# Altium PCB Buck_60W20V.pcbdoc (part 1 of 2) (continued)
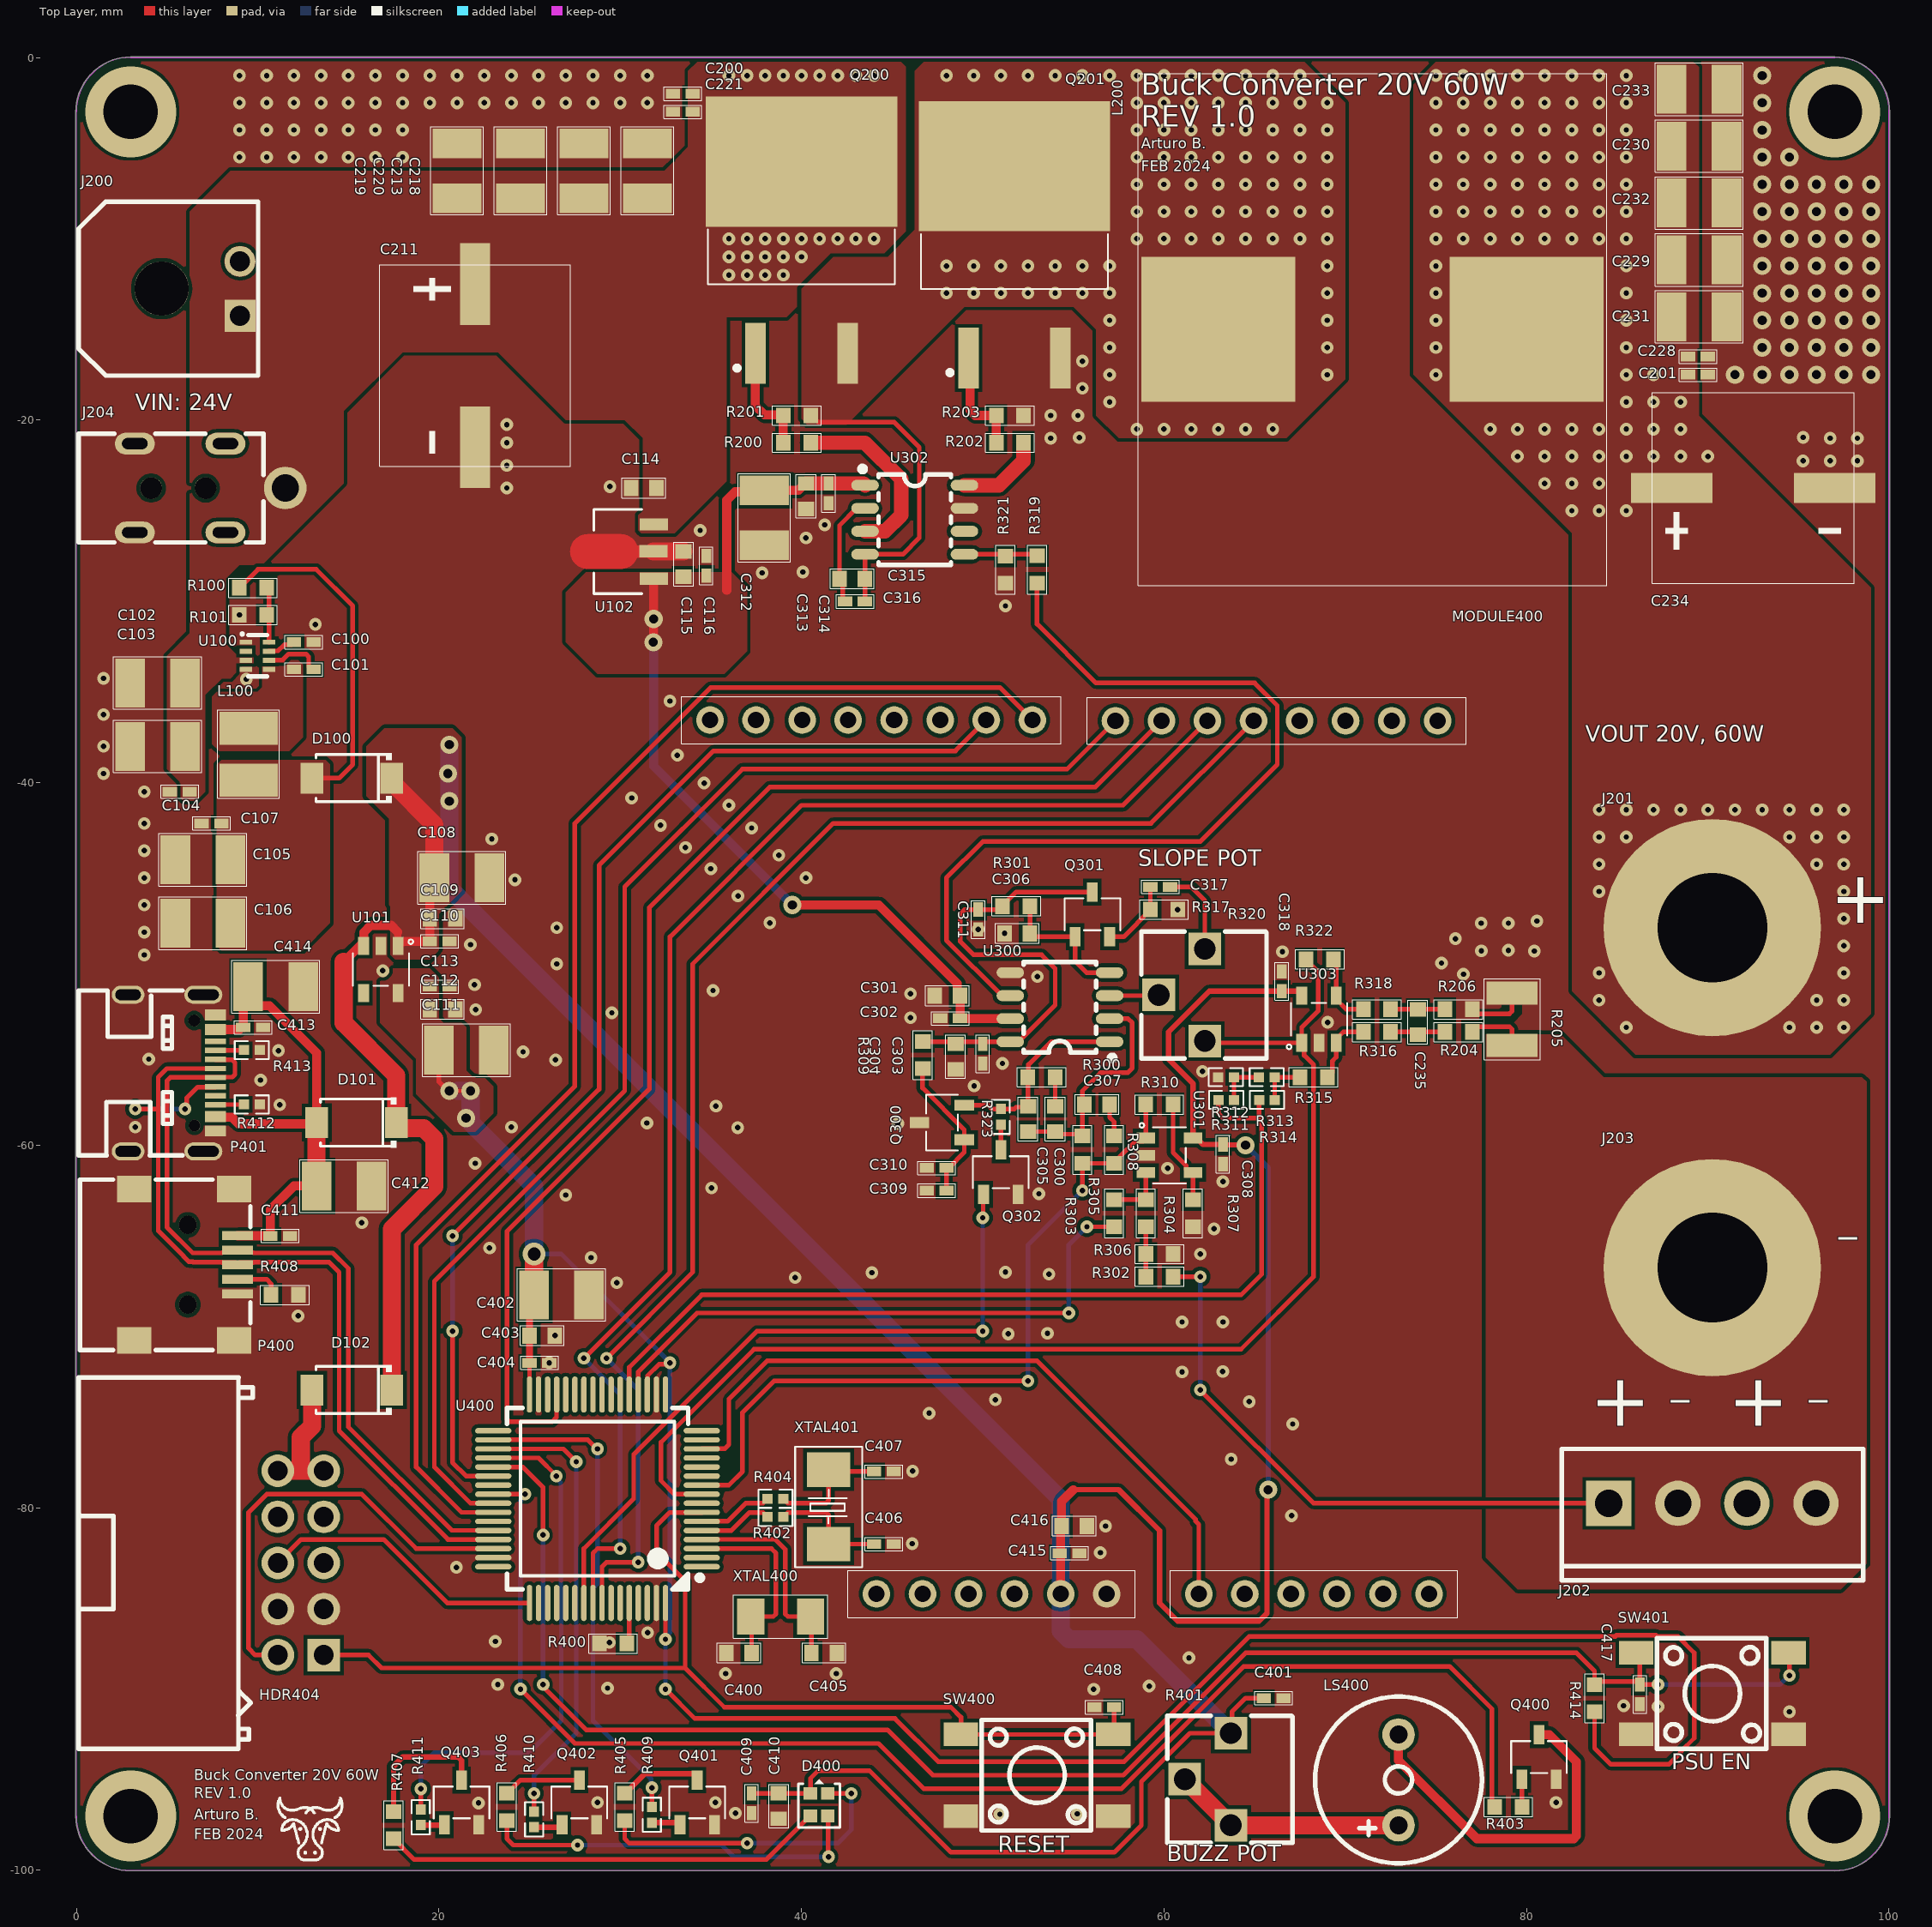
[diagram p0: Top Layer view]
## Footprints (in the part's own frame and the unit in brackets; to place one, negate y for a bottom-side part, rotate by r counter-clockwise, add the part's x,y. Pads: shape width x height; smd on the part's side, far side on the other; paste and mask are expansions set on the pad) (continued)
  silkscreen extent -25.4,-21.64 25.4,21.64, body extent -29.01,-26 28.9,55, height 21.01
LED_0603 [mm]
  rect 0.7x0.75 smd paste+0 mask+0.051: 1(-0.62,0.475) 2(0.62,0.475) 3(-0.62,-0.475) 4(0.62,-0.475)
  silkscreen extent -1.27,-1.14 1.4,1.14, body extent -0.8,-0.8 0.8,0.8, height 0.6
LQFP-64 [mm]
  oval 0.3x2 smd paste+0 mask+0.051: 1(-3.75,-5.75) 2(-3.25,-5.75) 3(-2.75,-5.75) 4(-2.25,-5.75) 5(-1.75,-5.75) 6(-1.25,-5.75) 7(-0.75,-5.75) 8(-0.25,-5.75) 9(0.25,-5.75) 10(0.75,-5.75) 11(1.25,-5.75) 12(1.75,-5.75) 13(2.25,-5.75) 14(2.75,-5.75) 15(3.25,-5.75) 16(3.75,-5.75) 33(3.75,5.75) 34(3.25,5.75) 35(2.75,5.75) 36(2.25,5.75) 37(1.75,5.75) 38(1.25,5.75) 39(0.75,5.75) 40(0.25,5.75) 41(-0.25,5.75) 42(-0.75,5.75) 43(-1.25,5.75) 44(-1.75,5.75) 45(-2.25,5.75) 46(-2.75,5.75) 47(-3.25,5.75) 48(-3.75,5.75)
  oval 2x0.3 smd paste+0 mask+0.051: 17(5.75,-3.75) 18(5.75,-3.25) 19(5.75,-2.75) 20(5.75,-2.25) 21(5.75,-1.75) 22(5.75,-1.25) 23(5.75,-0.75) 24(5.75,-0.25) 25(5.75,0.25) 26(5.75,0.75) 27(5.75,1.25) 28(5.75,1.75) 29(5.75,2.25) 30(5.75,2.75) 31(5.75,3.25) 32(5.75,3.75) 49(-5.75,3.75) 50(-5.75,3.25) 51(-5.75,2.75) 52(-5.75,2.25) 53(-5.75,1.75) 54(-5.75,1.25) 55(-5.75,0.75) 56(-5.75,0.25) 57(-5.75,-0.25) 58(-5.75,-0.75) 59(-5.75,-1.25) 60(-5.75,-1.75) 61(-5.75,-2.25) 62(-5.75,-2.75) 63(-5.75,-3.25) 64(-5.75,-3.75)
  silkscreen extent -5,-5.79 5,5, body extent -6,-6 6,6, height 1.56
RES_0402 [mm]
  rect 0.566x0.54 smd paste-100 mask+0.051: 1(-0.433,0) 2(0.433,0)
  silkscreen extent -0.94,-0.5 0.94,0.5, body extent -0.5,-0.25 0.5,0.25, height 0.35
RES_0603 [mm] "RES 0603 SMD"
  rect 0.806x0.864 smd paste-100 mask+0.051: 1(-0.753,0) 2(0.753,0)
  silkscreen extent -1.35,-0.53 1.35,0.53, body extent -0.8,-0.43 0.8,0.43, height 0.48
RES_1210 [mm]
  rect 1.283x2.808 smd paste-100 mask+0.051: 1(-1.441,0) 2(1.441,0)
  silkscreen extent -2.24,-1.55 2.24,1.55, body extent -1.61,-1.26 1.61,1.26, height 0.61
RES_GF063P1-B102 [mm]
  rect 1.8x1.8 hole 1.2 paste+0 mask+0.051: 1(-2.54,-1.27) 2(0,1.27) 3(2.54,-1.27)
  silkscreen extent -3.5,-4.68 3.5,2.23, body extent -3.56,-4.7 3.56,2.29, height 5.5
SMD_TSA063G60-250 [mm]
  rect 1.9x1.3 smd paste+0 mask+0.051: 1(-4.2,2.25) 2(4.2,2.25) 3(-4.2,-2.25) 4(4.2,-2.25)
  silkscreen extent -3.05,-3.05 2.98,3.05, body extent -3.09,-3.05 3.05,3.07, height 5
SMD_W1.5mm_L4.1mm_3141M-32.768DTNTLLLL [mm]
  rect 1.5x2 smd: 1(-1.65,0) 2(1.65,0)
  silkscreen extent -2.6,-1.2 2.6,1.2, body extent -2.05,-0.75 2.05,0.75, height 0.9
SMD_W3.2mm_L5.0m_X50328MSB2GI [mm]
  rect 1.9x2.4 smd paste+0 mask+0.051: 1(-2.05,0) 2(2.05,0)
  silkscreen extent -3.32,-1.85 3.33,1.85, body extent -2.5,-1.6 2.5,1.6, height 1.2
SOCKET_2X5P_2.54mm_HORZ_X9555WR [mm]
  rect 1.8x1.8 hole 1.1 paste+0 mask+0.051: 1(5.08,1.27)
  round 1.8 hole 1.1 paste+0 mask+0.051: 2(5.08,-1.27) 3(2.54,1.27) 4(2.54,-1.27) 5(0,1.27) 6(0,-1.27) 7(-2.54,1.27) 8(-2.54,-1.27) 9(-5.08,1.27) 10(-5.08,-1.27)
  silkscreen extent -10.24,-12.26 10.26,-2.65, body extent -10.24,-12.26 10.26,-3.44, height 5
SOD-128 [mm]
  rect 1.25x1.7 smd paste+0 mask+0.051: 1(-2.2,0) 2(2.2,0)
  silkscreen extent -2.2,-1.38 1.98,1.38, body extent -2.7,-1.3 2.5,1.4, height 1.11
SOIC-8 [mm]
  oval 1.52x0.6 smd paste+0 mask+0.051: 1(-2.74,1.905) 2(-2.74,0.635) 3(-2.74,-0.635) 4(-2.74,-1.905) 5(2.74,-1.905) 6(2.74,-0.635) 7(2.74,0.635) 8(2.74,1.905)
  silkscreen extent -3.03,-2.5 2,2.95, body extent -3,-2.45 3,2.45, height 1.7
SOT-23 [mm]
  rect 1.07x0.6 smd paste+0 mask+0.051: 1(1.235,-0.95) 2(1.235,0.95) 3(-1.235,0)
  silkscreen extent -0.88,-1.54 0.88,1.54, body extent -1.25,-1.5 1.25,1.5, height 1.11
SOT-23-5 [mm]
  rect 1x0.6 smd paste+0 mask+0.051: 1(1.3,-0.95) 2(1.3,0) 3(1.3,0.95) 4(-1.3,0.95) 5(-1.3,-0.95)
  silkscreen extent -0.9,-1.78 1.65,1.55, body extent -1.25,-1.5 1.25,1.5, height 1.11
SOT-98-3 [mm]
  rect 1.575x0.672 smd paste+0 mask+0.051: 1(1.356,-1.5) 2(1.336,0.011) 3(1.356,1.5)
  Top Layer region: -2.304,0.949 -0.45,0.949 -0.406,0.948 -0.361,0.945 -0.317,0.94 -0.273,0.933 -0.229,0.923 -0.186,0.912 -0.144,0.899 -0.102,0.883 -0.061,0.866 -0.021,0.847 0.019,0.826 0.057,0.803 0.094,0.778 0.13,0.752 0.164,0.724 0.198,0.694 0.23,0.663 0.26,0.63 0.289,0.597 0.316,0.561 0.341,0.525 0.365,0.487 0.387,0.448 0.407,0.409 0.426,0.329 2.123,0.329 2.123,-0.331 0.426,-0.331 0.407,-0.41 0.387,-0.45 0.365,-0.489 0.341,-0.526 0.316,-0.563 0.289,-0.598 0.26,-0.632 0.23,-0.665 0.198,-0.696 0.164,-0.725 0.13,-0.753 0.094,-0.78 0.057,-0.804 0.019,-0.827 -0.021,-0.848 -0.061,-0.867 -0.102,-0.885 -0.144,-0.9 -0.186,-0.913 -0.229,-0.925 -0.273,-0.934 -0.317,-0.941 -0.361,-0.947 -0.406,-0.95 -0.45,-0.951 -2.304,-0.951 -2.349,-0.95 -2.393,-0.947 -2.437,-0.941 -2.481,-0.934 -2.525,-0.925 -2.568,-0.913 -2.61,-0.9 -2.652,-0.885 -2.693,-0.867 -2.734,-0.848 -2.773,-0.827 -2.811,-0.804 -2.848,-0.78 -2.884,-0.753 -2.919,-0.725 -2.952,-0.696 -2.984,-0.665 -3.014,-0.632 -3.043,-0.598 -3.07,-0.563 -3.096,-0.526 -3.119,-0.489 -3.141,-0.45 -3.162,-0.41 -3.18,-0.369 -3.196,-0.328 -3.21,-0.286 -3.223,-0.243 -3.233,-0.2 -3.241,-0.156 -3.248,-0.112 -3.252,-0.067 -3.254,-0.023 -3.254,0.022 -3.252,0.066 -3.248,0.11 -3.241,0.154 -3.233,0.198 -3.223,0.242 -3.21,0.284 -3.196,0.327 -3.18,0.368 -3.162,0.409 -3.141,0.448 -3.119,0.487 -3.096,0.525 -3.07,0.561 -3.043,0.597 -3.014,0.63 -2.984,0.663 -2.952,0.694 -2.919,0.724 -2.884,0.752 -2.848,0.778 -2.811,0.803 -2.773,0.826 -2.734,0.847 -2.693,0.866 -2.652,0.883 -2.61,0.899 -2.568,0.912 -2.525,0.923 -2.481,0.933 -2.437,0.94 -2.393,0.945 -2.349,0.948
  silkscreen extent -1.95,-2.33 0.7,2.33, body extent -2.38,-2.3 1.87,2.3, height 1.35
SOT-583 [mm]
  rect 0.68x0.28 smd paste+0 mask+0.051: 1(0.64,-0.75) 2(0.64,-0.25) 3(0.64,0.25) 4(0.64,0.75) 5(-0.64,0.75) 6(-0.64,0.25) 7(-0.64,-0.25) 8(-0.64,-0.75)
  silkscreen extent -0.51,-1.27 0.92,1.14, body extent -0.8,-1.05 0.8,1.05, height 0.6
USB-C_2.0_12PIN [mm]
  rect 0.6x1.15 smd paste-100 mask+0.05: A1B12(-3.2,2.41) A4B9(-2.4,2.41) B1A12(3.2,2.41) B4A9(2.4,2.41)
  rect 0.3x1.15 smd paste-100 mask+0.05: A5(-1.25,2.41) A6(-0.25,2.41) A7(0.25,2.41) A8(1.25,2.41) B5(1.75,2.41) B6(0.75,2.41) B7(-0.75,2.41) B8(-1.75,2.41)
  oval 1x1.8 hole 0.6 slot 1.4 at 90 deg paste+0 mask+0.05: EP(-4.32,-2.41) EP(4.32,-2.41)
  oval 1x2.1 hole 0.6 slot 1.7 at 90 deg paste+0 mask+0.05: EP(-4.32,1.74) EP(4.32,1.74)
  round 0.65 hole 0.65 unplated paste+0: ""(-2.9,1.24) ""(2.9,1.25)
  silkscreen extent -4.55,-5.14 4.55,0.59, body extent -4.52,-4.92 4.42,1.98, height 3.26
USB_Mini-B_UX-144S-ACP5 [mm]
  rect 0.5x1.7 smd paste+0 mask+0.051: 1(-1.6,2.85) 2(-0.8,2.85) 3(0,2.85) 4(0.8,2.85) 5(1.6,2.85)
  rect 1.45x1.9 smd paste+0 mask+0.051: 6(-4.175,2.65) 7(-4.175,-2.85) 8(4.175,-2.85) 9(4.175,2.65)
  round 1 hole 1 unplated paste+0: ""(-2.2,0.1) ""(2.2,0.1)
  silkscreen extent -4.7,-5.84 4.7,3.56, body extent -4.95,-6.05 4.95,2.95, height 4

## Part data
C100 C101 C104 C107 C110 C113 C116 C302 C303 C308 C309 C310 C311 C314 C316 C317 C318 C401 C408 C409 C411 C413 C415 C417: library part UMK105B7104KV-FR, "CAP 100N 0402 X7R 50V 10%", Package=0402, ComponentLink1Description=Datasheet, ComponentLink1URL=https://datasheet.lcsc.com/lcsc/2211282030_Taiyo-Yuden-UMK105B7104KV-FR_C2167491.pdf, ComponentLink2Description=Characteristics, ComponentLink2URL=Datasheets\Capacitors\UMK105B7104KV-FR_TaiyoYuden.pdf, Manifacturer="Taiyo Yuden", Part Number=UMK105B7104KV-FR
C102 C103 C105 C106 C108 C111 C213 C218 C219 C220 C229 C230 C231 C232 C233 C312 C402 C412 C414: library part UMK325AB7106KM-T, "CAP 10U 1210 X7R 50V 10%", Package=1210, ComponentLink1Description=Datasheet, ComponentLink1URL=https://datasheet.lcsc.com/lcsc/2211282230_Taiyo-Yuden-UMK325AB7106KM-T_C386167.pdf, ComponentLink2Description=Characteristics, ComponentLink2URL=Datasheets\Capacitors\UMK325AB7106KM-T_TaiyoYuden_Char.pdf, Manifacturer="Taiyo Yuden", Part Number=UMK325AB7106KM-T
C109 C112 C114 C115 C301 C304 C313 C315 C403 C410 C416: library part TMK107AB7105KAHT, "CAP 1U 0603 X7R 25V 10%", Package=0603, ComponentLink1Description=Datasheet, ComponentLink1URL=https://datasheet.lcsc.com/lcsc/1912111437_Taiyo-Yuden-TMK107AB7105KAHT_C386079.pdf, ComponentLink2Description=Characteristics, ComponentLink2URL=Datasheets\Capacitors\TMK107AB7105KAHT_TaiyoYuden.pdf, Manifacturer="Taiyo Yuden", Part Number=TMK107AB7105KAHT
C200 C201: library part UMF105B7102KVHF, "CAP 1N 0402 X7R 50V 10%", Package=0402, ComponentLink1Description=Datasheet, ComponentLink1URL=https://datasheet.lcsc.com/lcsc/1912111437_Taiyo-Yuden-UMF105B7102KVHF_C386104.pdf, ComponentLink2Description=Characteristics, ComponentLink2URL=Datasheets\Capacitors\UMF105B7102KVHF_TaiyoYuden.pdf, Manifacturer="Taiyo Yuden", Part Number=UMF105B7102KVHF
C211 C234: library part UUD1H221MNL1GS, "CAP 220U SMD_D10mm_L10mm ELEC 50V 20%", Package=SMD_D10mm_L10mm, ComponentLink1Description=Datasheet, ComponentLink2Description=Characteristics, Manifacturer=Nichicon, Part Number=UUD1H221MNL1GS
C221 C228 C404: library part UMF105B7103KVHF, "CAP 10N 0402 X7R 50V 10%", Package=0402, ComponentLink1Description=Datasheet, ComponentLink1URL=https://datasheet.lcsc.com/lcsc/1912111437_Taiyo-Yuden-UMF105B7103KVHF_C386105.pdf, ComponentLink2Description=Characteristics, ComponentLink2URL=Datasheets\Capacitors\UMF105B7103KVHF_TaiyoYuden.pdf, Manifacturer="Taiyo Yuden", Part Number=UMF105B7103KVHF
C235: library part C1608C0G2E222JT000N, "CAP 2N2 0603 NPO 250V 5%", Package=0603, ComponentLink1Description=Datasheet, ComponentLink1URL=https://datasheet.lcsc.com/lcsc/2304140030_TDK-C1608C0G2E222JT000N_C694281.pdf, ComponentLink2Description=Characteristics, Manifacturer=TDK, Part Number=C1608C0G2E222JT000N
C300: library part CC0603GRNPO9BN471, "CAP 470P 0603 NPO 50V 2%", Package=0603, ComponentLink1Description=Datasheet, ComponentLink1URL=https://datasheet.lcsc.com/lcsc/2304140030_YAGEO-CC0603GRNPO9BN471_C327194.pdf, ComponentLink2Description=Characteristics, Manifacturer=YAGEO, Part Number=CC0603GRNPO9BN471
C305 C400 C405: library part CC0603JRNPO9BN180, "CAP 18P 0603 NPO 50V 5%", Package=0603, ComponentLink1Description=Datasheet, ComponentLink1URL=https://datasheet.lcsc.com/lcsc/2304140030_YAGEO-CC0603JRNPO9BN180_C107040.pdf, ComponentLink2Description=Characteristics, Manifacturer=YAGEO, Part Number=CC0603JRNPO9BN180
C306 C307: library part CC0603GRNPO8BN102, "CAP 1N 0603 NPO 25V 2%", Package=0603, ComponentLink1Description=Datasheet, ComponentLink1URL=https://datasheet.lcsc.com/lcsc/2005181835_YAGEO-CC0603GRNPO8BN102_C519480.pdf, ComponentLink2Description=Characteristics, Manifacturer=YAGEO, Part Number=CC0603GRNPO8BN102
C406 C407: library part CC0603JRNPO9BN360, "CAP 36P 0402 NPO 50V 5%", Package=402, ComponentLink1Description=Datasheet, ComponentLink1URL=https://datasheet.lcsc.com/lcsc/2304140030_YAGEO-CC0603JRNPO9BN360_C134070.pdf, Manifacturer=YAGEO, Part Number=CC0603JRNPO9BN360
D100 D101 D102: library part PMEG3010EP,115, "DIODE PMEG3010EP,115 SOD-128  Schottky 30V 1A", Current=1A, Forward voltage="0.36V @ 1A", Operating temperature="150 ℃", Package=SOD-128, Voltage=30V, ComponentLink1Description=Datasheet, ComponentLink1URL=https://datasheet.lcsc.com/lcsc/2006101642_Nexperia-PMEG3010EP-115_C552865.pdf, Manifacturer=Nexperia, Part Number=PMEG3010EP,115, Type=Schottky
D400: library part E6C0606RGBC3UDA, "LED E6C0606RGBC3UDA 0603 RGB 5V 20mA", Current=20mA, Forward voltage="2.20V (max, red), 3.40V (max , green), 3.40V (max, blue)", Operating temperature="90 ℃", Package=0603, Voltage=5V, ComponentLink1Description=Datasheet, ComponentLink1URL=https://datasheet.lcsc.com/lcsc/2203301730_EKINGLUX-E6C0606RGBC3UDA_C375569.pdf, Manifacturer=EKINGLUX, Part Number=E6C0606RGBC3UDA, Type=RGB
HDR404: library part X9555WR-2x05-6TV01, "SOCKET  / X9555WR-2x05-6TV01 TH 2.54mm 2X5P HORZ", Current=3A, Package=TH, Voltage=N/A, ComponentLink1Description=Datasheet, ComponentLink1URL=https://datasheet.lcsc.com/lcsc/2110112030_XKB-Connectivity-X9555WR-2x05-6TV01_C2682217.pdf, Manifacturer="XKB Connectivity", Part Number=X9555WR-2x05-6TV01, Pitch=2.54mm, Structure="2X5P HORZ", Supported protocol=N/A
J200: library part 436500200, "RECEP 436500200 TH 3mm HORIZ", Current=8.5A, Package=TH, Voltage=600V, ComponentLink1Description=Datasheet, ComponentLink1URL=https://datasheet.lcsc.com/lcsc/2305301754_MOLEX-436500200_C192562.pdf, Manifacturer=MOLEX, Part Number=436500200, Pitch=NA, Structure="RERCEP 2WIRE HORIZ", Supported protocol=NA
J201: library part 24.247.1, "JACK  24.247.1 TH 4mm  VERT RED", Current=32A, Package=TH, Voltage=60V, ComponentLink1Description=Datasheet, ComponentLink1URL=https://www.lcsc.com/product-detail/Banana-Connectors-Alligator-Clips_Changzhou-Amass-Elec-24-247-2_C106272.html, Manifacturer="Changzhou Amass Elec", Part Number=24.247.1, Pitch=NA, Structure="VERT RED BANANA JACK", Supported protocol=NA
J202: library part 1803442, "RECEP 1803442 TH 3.81mm HORIZ", Current=8A, Package=TH, Voltage=160V, ComponentLink1Description=Datasheet, ComponentLink1URL=https://datasheet.lcsc.com/lcsc/2001071235_Phoenix-Contact-1803442_C480518.pdf, Manifacturer="Phoenix Contact", Part Number=1803442, Pitch=3.81mm, Structure="RECEP 4WIRE VERT", Supported protocol=NA
J203: library part 24.247.2, "JACK  24.247.2 TH 4mm  VERT BLACK", Current=32A, Package=TH, Voltage=60V, ComponentLink1Description=Datasheet, ComponentLink1URL=https://www.lcsc.com/product-detail/Banana-Connectors-Alligator-Clips_Changzhou-Amass-Elec-24-247-2_C106272.html, Manifacturer="Changzhou Amass Elec", Part Number=24.247.2, Pitch=NA, Structure="VERT BLACK BANANA JACK", Supported protocol=NA
J204: library part DC-058A-D010, "JACK  / DC-058A-D010 TH  HORIZ", Current=5A, Package=TH, Voltage=12V, ComponentLink1Description=Datasheet, ComponentLink1URL=https://datasheet.lcsc.com/lcsc/2102241737_G-Switch-DC-058A-D010_C2686970.pdf, Manifacturer=G-Switch, Part Number=DC-058A-D010, Pitch=NA, Structure="HORZ 2WIRE Jack", Supported protocol=NA
L100: library part LQH3NPN6R8MMEL, "IND 6U8 SMD_W3mm_L3mm 0.9A 1.04A", Package=SMD_W3mm_L3mm, ComponentLink1Description=Datasheet, ComponentLink2Description=Characteristics, Irated=0.9A, Isat=1.04A, Manifacturer="Murata Electronics", Part Number=LQH3NPN6R8MMEL
L200: library part 74437429203151, "IND 150U SMD_W25mm_L28mm 8.4A 7.8A", Package=SMD_W25mm_L28mm, Irated=8.4A, Isat=7.8A, Manifacturer="Wurth Electronik", Part Number=74437429203151
LS400: library part HNB09A03, "BUZZER HNB09A03 TH 1.5V-5V 3Khz", Current=30mA, Package=TH, Supply Voltage="1.5V - 4.5V", ComponentLink1Description=Datasheet, ComponentLink1URL=https://datasheet.lcsc.com/lcsc/1811141116_Jiangsu-Huaneng-Elec-HNB09A03_C96102.pdf, ComponentLink2Description=Characteristics, Manifacturer="Jiangsu Huaneng Elec", Part Number=HNB09A03, Tj=20℃~+70℃
MODULE400: library part LCD_16X2_Arduino_Shield, "LCD Display 16X2 Arduino Shield", ComponentLink1Description=Datasheet, ComponentLink1URL=NA, Part Number=LCD_16X2_Arduino_Shield
P400: library part UX-144S-ACP5, "CONN UX-144S-ACP5 SMD USB_Mini-B 2.0", Current=1.5A, Package=SMD, Voltage=N/A, ComponentLink1Description=Datasheet, ComponentLink1URL=https://datasheet.lcsc.com/lcsc/2008122036_XUNPU-UX-144S-ACP5_C720611.pdf, Manifacturer=XUNPU, Part Number=UX-144S-ACP5, Pitch=N/A, Structure="USB Mini-B", Supported protocol="USB 2.0"
P401: library part TYPEC-304-ACP16, "CONN TYPEC-304-ACP16 SMD USB-C 2.0", Current=3A, Package=SMD, Voltage=N/A, ComponentLink1Description=Datasheet, ComponentLink1URL=https://datasheet.lcsc.com/lcsc/2203111830_XUNPU-TYPEC-304-ACP16_C2982555.pdf, Manifacturer=XUNPU, Part Number=TYPEC-304-ACP16, Pitch=N/A, Structure=USB-C, Supported protocol="USB 2.0"
Q200 Q201: library part IRFS3806TRLPBF, "NFET IRFS3806TRLPBF D2PAK 60V 43A 15.8mΩ", Current (Tcase = 25°C)=43A, Package=D2PAK, Voltage=60V, ComponentLink1Description=Datasheet, ComponentLink1URL=https://datasheet.lcsc.com/lcsc/2005292345_Infineon-Technologies-IRFS3806TRLPBF_C538013.pdf, ComponentLink2Description=Characteristics, Manifacturer="Infineon Technologies", Part Number=IRFS3806TRLPBF, Rdson(max)=15.8mR, Tjmax="175 °C"
Q300: library part 2SA1585, "PNP 2SA1585 SOT-23 20V 0.35W", Package=SOT-23, Power=0.35W, ComponentLink1Description=Datasheet, ComponentLink1URL=https://datasheet.lcsc.com/lcsc/1810010514_Jiangsu-Changjing-Electronics-Technology-Co---Ltd--2SA1585_C92477.pdf, ComponentLink2Description=Characteristics, Manifacturer="Jiangsu Changjing Electronics Technology Co., Ltd.", Part Number=2SA1585, Tjmax="150 °C", VCEO=20V, VEBO=6V
Q301 Q302 Q400 Q401 Q402 Q403: library part 2SD596, "NPN 2SD596 SOT-23 25V 0.2W", Package=SOT-23, Power=0.2W, ComponentLink1Description=Datasheet, ComponentLink1URL=https://datasheet.lcsc.com/lcsc/2109011130_YONGYUTAI-2SD596_C2891824.pdf, Manifacturer=YONGYUTAI, Part Number=2SD596, Tjmax="150 °C", VCEO=25V, VEBO=5V
R100: library part ERA3AEB5232V, "RES 52K3 0603 0.1% 0.1W 75V", Package=0603, ComponentLink1Description=Datasheet, ComponentLink1URL=https://datasheet.lcsc.com/lcsc/2005181233_PANASONIC-ERA3AEB5232V_C491140.pdf, ComponentLink2Description=Characteristics, Manifacturer=PANASONIC, Part Number=ERA3AEB5232V
R101 R201 R203 R309 R317 R319 R321 R400 R408 R414: library part ARG03BTC1002, "RES 10K 0603 0.1W 0.1% 75V", Package=0603, ComponentLink1Description=Datasheet, ComponentLink1URL=Datasheets\Resistors\ARG03BTC1002_VikingTech.pdf, ComponentLink2Description=Characteristics, Manifacturer="Viking Tech", Part Number=ARG03BTC1002
R200 R202: library part 0603WAJ022JT5E, "RES 2R2 0603 0.1W 5% 75V", Package=0603, ComponentLink1Description=Datasheet, ComponentLink1URL=Datasheets\Resistors\0603WAJ022JT5E_UniRoyal.pdf, ComponentLink2Description=Characteristics, Manifacturer=UNI-ROYAL, Part Number=0603WAJ022JT5E
R204 R206: library part RT0603CRE07100RL, "RES 100R 00603 0.1W 0.25% 75V", Package=0603, ComponentLink1Description=Datasheet, ComponentLink1URL=Datasheets\Resistors\RT0603CRE07100RL_Yageo.pdf, ComponentLink2Description=Characteristics, Manifacturer=YAGEO, Part Number=RT0603CRE07100RL
R205: library part RTT12R033FTP, "RES 0.033R 1210 1% 0.5W 200V", Package=1210, ComponentLink1Description=Datasheet, ComponentLink1URL=Datasheets\Resistors\RTT12R033FTP_Ralec.pdf, ComponentLink2Description=Characteristics, Manifacturer=RALEC, Part Number=RTT12R033FTP
R300: library part FRC0603F2493TS, "RES 249K 0603 1% 0.1W 75V", Package=0603, ComponentLink1Description=Datasheet, ComponentLink1URL=https://datasheet.lcsc.com/lcsc/2308241103_FOJAN-FRC0603F2493TS_C2933177.pdf, ComponentLink2Description=Characteristics, Manifacturer=FOJAN, Part Number=FRC0603F2493TS
R301: library part WF06H2432BTL, "RES 24K3 0603 0.1% 0.1W 50V", Package=0603, ComponentLink1Description=Datasheet, ComponentLink1URL=https://datasheet.lcsc.com/lcsc/2207151730_Walsin-Tech-Corp-WF06H2432BTL_C4354966.pdf, ComponentLink2Description=Characteristics, Manifacturer="Walsin Tech Corp", Part Number=WF06H2432BTL
R302 R305 R315 R316 R318 R322: library part RC0603FR-07100KL, "RES 100K 0603 1% 0.1W 75V", Package=0603, ComponentLink1Description=Datasheet, ComponentLink1URL=https://datasheet.lcsc.com/lcsc/1809281124_YAGEO-RC0603FR-07100KL_C14675.pdf, ComponentLink2Description=Characteristics, Manifacturer=YAGEO, Part Number=RC0603FR-07100KL
R303 R304 R307 R310: library part 0603WAF4703T5E, "RES 470K 0603 1% 0.1W 75V", Package=0603, ComponentLink1Description=Datasheet, ComponentLink1URL=https://datasheet.lcsc.com/lcsc/2206010116_UNI-ROYAL-Uniroyal-Elec-0603WAF4703T5E_C23178.pdf, ComponentLink2Description=Characteristics, Manifacturer=UNI-ROYAL, Part Number=0603WAF4703T5E
R306: library part RT0603BRE0714K3L, "RES 14K3 0603 1% 0.1W 75V", Package=0603, ComponentLink1Description=Datasheet, ComponentLink1URL=https://datasheet.lcsc.com/lcsc/2009282136_YAGEO-RT0603BRE0714K3L_C705810.pdf, ComponentLink2Description=Characteristics, Manifacturer=YAGEO, Part Number=RT0603BRE0714K3L
R308: library part CRCW06034K22FKEA, "RES 4K22 0603 1% 0.1W 75V", Package=0603, ComponentLink1Description=Datasheet, ComponentLink1URL=https://datasheet.lcsc.com/lcsc/2304140030_Vishay-Intertech-CRCW06034K22FKEA_C843958.pdf, ComponentLink2Description=Characteristics, Manifacturer="Vishay Intertech", Part Number=CRCW06034K22FKEA
R311: library part TC0250B1052TCC, "RES 10K5 0402 0.1% 0.625W 25V", Package=0402, ComponentLink1Description=Datasheet, ComponentLink1URL=https://datasheet.lcsc.com/lcsc/2304140030_UNI-ROYAL-Uniroyal-Elec-TC0250B1052TCC_C517521.pdf, Manifacturer="UNI-ROYAL(Uniroyal Elec)", Part Number=TC0250B1052TCC
R312: library part AR02BTC5001, "RES 5K 0402 0.1% 0.63W", Package=0402, ComponentLink1Description=Datasheet, ComponentLink1URL=https://datasheet.lcsc.com/lcsc/2311271515_Viking-Tech-AR02BTC5001_C5948099.pdf, Manifacturer="Viking Tech", Part Number=AR02BTC5001
R313 R314 R323: library part 0402WGF0000TCE, "RES 0R 0402 1% 0.625W", Package=0402, ComponentLink1Description=Datasheet, ComponentLink1URL=https://datasheet.lcsc.com/lcsc/2206010216_UNI-ROYAL-Uniroyal-Elec-0402WGF0000TCE_C17168.pdf, Manifacturer="UNI-ROYAL(Uniroyal Elec)", Part Number=0402WGF0000TCE
R320 R401: library part GF063P1-B102, "RES POT 1K TH 20%", Package=TH, ComponentLink1Description=Datasheet, ComponentLink1URL=https://datasheet.lcsc.com/lcsc/2304140030_Tokyo-Cosmos-Elec-GF063P1-B102_C128078.pdf, ComponentLink2Description=Characteristics, Manifacturer="Tokyo Cosmos Elec", Part Number=GF063P1-B102
R402 R404: library part 0402WGF0000TCE, "RES 0R 0402 1% 0.625W", Package=402, ComponentLink1Description=Datasheet, ComponentLink1URL=https://datasheet.lcsc.com/lcsc/2206010216_UNI-ROYAL-Uniroyal-Elec-0402WGF0000TCE_C17168.pdf, Manifacturer="UNI-ROYAL(Uniroyal Elec)", Part Number=0402WGF0000TCE
R403: library part RC0603FR-073K9L, "RES 3K9 0603 1% 0.1W 75V", Package=0603, ComponentLink1Description=Datasheet, ComponentLink1URL=https://datasheet.lcsc.com/lcsc/2304140030_YAGEO-RC0603FR-073K9L_C114616.pdf, ComponentLink2Description=Characteristics, Manifacturer=YAGEO, Part Number=RC0603FR-073K9L
R405 R406 R407: library part RT0603CRE07100RL, "RES 100R 00603 0.1W 0.25% 75V", Package=0604, ComponentLink1Description=Datasheet, ComponentLink1URL=Datasheets\Resistors\RT0603CRE07100RL_Yageo.pdf, ComponentLink2Description=Characteristics, Manifacturer=YAGEO, Part Number=RT0603CRE07100RL
R409 R410 R411 R412 R413: library part RC0402FR-075K1L, "RES 5K1 0402 1% 0.625W 50V", Package=402, ComponentLink1Description=Datasheet, ComponentLink1URL=https://datasheet.lcsc.com/lcsc/2304140030_YAGEO-RC0402FR-075K1L_C105872.pdf, Manifacturer=YAGEO, Part Number=RC0402FR-075K1L
SW400 SW401: library part TSA063G60-250, "SW  / TSA063G60-250 SMD SPST 50mA 12V", Current=50mA, Operating temperature=-25℃~+70℃, Package=SMD, Voltage=12V, ComponentLink1Description=Datasheet, ComponentLink1URL=https://datasheet.lcsc.com/lcsc/2304140030_BRIGHT-TSA063G60-250_C294566.pdf, Manifacturer=BRIGHT, Part Number=TSA063G60-250, Type=SPST
U100: library part TPS62933DRLR, "IC TPS62933DRLR SOT-583 BUCK-CHIP", Package=SOT-583, Supply Voltage=3.8V-30V, ComponentLink1Description=Datasheet, ComponentLink1URL=https://www.ti.com/lit/ds/symlink/tps62933p.pdf?ts=1658586703977&ref_url=https%253A%252F%252Fwww.ti.com%252Fproduct%252FTPS62933P%253Fjktype%253Dhomepageproduct, ComponentLink2Description=Characteristics, Manifacturer="Texas Instruments", Part Number=TPS62933DRLR, Tj="150 ℃", Type=BUCK-CHIP
U101: library part AP2112K-3.3TRG1, "LDO AP2112K-3.3TRG1 SOT-25-5 3.3V 600mA", Dropout Voltage="1.3V @ 600mA", Package=SOT-25, Supply Voltage=6.5V, ComponentLink1Description=Datasheet, ComponentLink1URL=https://datasheet.lcsc.com/lcsc/2304140030_Diodes-Incorporated-AP2112K-3-3TRG1_C51118.pdf, Features="Current limiting, Thermal shutdown", Manifacturer="Diodes Incorporated", Part Number=AP2112K-3.3TRG1, Tj="150 ℃", Type=LDO
U102: "LDO L78L12ABUTR SOT-89-3 12V 100mA", Dropout Voltage="1.7V (typ)", Package=SOT-98-3, Supply Voltage=35V, ComponentLink1Description=Datasheet, ComponentLink1URL=https://datasheet.lcsc.com/lcsc/2011051905_STMicroelectronics-L78L12ABUTR_C915681.pdf, Features="Thermal overload, short circuit protection.", Manifacturer=STMicroelectronics, Part Number=L78L12ABUTR, Tj="125 ℃", Type=LDO
U300: library part UC3843D8TR, "IC UC3843D8TR SOIC-8 PWM-CONTROLLER", Package=SOIC-8, Supply Voltage=30V, ComponentLink1Description=Datasheet, ComponentLink1URL=https://www.ti.com/lit/ds/symlink/uc3842.pdf?HQS=dis-dk-null-digikeymode-dsf-pf-null-wwe&ts=1707097391176, ComponentLink2Description=Characteristics, Manifacturer="Texas Instruments", Part Number=UC3843D8TR, Tj="150 ℃", Type=PWM-CONTROLLER
U301 U303: library part AD8628ARTZ-REEL7, "OPAMP AD8628ARTZ-REEL7 SOT-23-5 2.5MHz", Current - Input Bias(Ib)=30pA, Operating temperature=-40℃~+125℃, Package=SOT-23-5, Supply Voltage=6V, Voltage - Input Offset(Vos)=1uV, ComponentLink1Description=Datasheet, ComponentLink1URL=https://datasheet.lcsc.com/lcsc/1811091710_Analog-Devices-AD8628ARTZ-REEL7_C29309.pdf, ComponentLink2Description=Characteristics, Gain Bandwidth Product(GBP)=2.5MHz, Manifacturer="Analog Devices", Number of Circuits=1, Part Number=AD8628ARTZ-REEL7
U302: library part MIC4605-2YM, "GATEDRVR MIC4605-2YM SOIC-8 HALF-BRIDGE  5.5V-16V", High-Level Input Voltage (max)=2.2V, Low-Level Input Voltage (min)=0.8V, Package=SOIC-8, Supply Voltage=5.5V-16V, ComponentLink1Description=Datasheet, ComponentLink1URL=https://datasheet.lcsc.com/lcsc/2309071225_Microchip-Tech-MIC4605-2YM_C637550.pdf, ComponentLink2Description=Characteristics, Manifacturer="Microchip Tech", Part Number=MIC4605-2YM, Propagation delay (max)=75ns, Tj=125℃, Type=HALF-BRIDGE
U400: library part STM32L476RGT6, "IC STM32L476RGT6 LQFP-64 MCU", Package=LQFP-64, Supply Voltage="1.71V - 3.6V", ComponentLink1Description=Datasheet, ComponentLink1URL=https://datasheet.lcsc.com/lcsc/2304140030_STMicroelectronics-STM32L476RGT6_C74797.pdf, ComponentLink2Description=Characteristics, Manifacturer=STMicroelectronics, Part Number=STM32L476RGT6, Tj="85 ℃", Type=MCU
XTAL400: library part 3141M-32.768DTNTLLLL, "XTAL 3141M-32.768DTNTLLLL SMD_W1.5mm_L4.1mm 32.768kHz 12.5pF", C1(motional capacitance)=3.3fF(typ), Co(shunt capacitance)="1.5pF (typ)", Frequency=32.768kHz, Frequency tolerance="±20ppm / ±30ppm / ±50ppm", Load Capacitance=12.5pF, Operating temperature="–40 to +85°C", Package=SMD_W1.5mm_L4.1mm, ComponentLink1Description=Datasheet, ComponentLink1URL=https://datasheet.lcsc.com/lcsc/2311151637_HCI-3141M-32-768DTNTLLLL_C7503638.pdf, Drive level="0.2uW (typ), 1uW(max)", ESR=<60kΩ, Manifacturer=HCI, Part Number=3141M-32.768DTNTLLLL
XTAL401: library part X50328MSB2GI, "XTAL  / X50328MSB2GI SMD_W3.2mm_L5.0mm 8Mhz 20pF", C1(motional capacitance)=N/A, Co(shunt capacitance)=3pF, Frequency=8Mhz, Frequency tolerance=±30ppm, Load Capacitance=20pF, Operating temperature="–40 to +125°C", Package=SMD_W3.2mm_L5.0m, ComponentLink1Description=Datasheet, ComponentLink1URL=https://datasheet.lcsc.com/lcsc/2302201101_YXC-X50328MSB2GI_C115962.pdf, Drive level=100uW(typ), ESR=80Ω, Manifacturer=YXC, Part Number=X50328MSB2GI

## Via types
v1: diameter 0.7, hole 0.3, Top Layer to Bottom Layer, tented both sides, 470 vias
v2: diameter 1, hole 0.5, Top Layer to Bottom Layer, tented both sides, 57 vias
v3: diameter 5, hole 3, Top Layer to Bottom Layer, tented both sides, 4 vias
v4: diameter 1.27, hole 0.711, Top Layer to Bottom Layer, tented both sides, 1 vias

## Nets (pads, with @x,y where several pads share a name; then routed paths per layer and width w, separated by ;. In a path a pad name is that pad's centre, name@x,y a point inside that pad or via, vN(x,y) a via of type N, cw(c..) or ccw(c..) an arc to the next point about the centre after c; other vN are vias at no path point)
3V3: C111.2 C112.2 C113.2 C402.2 C403.2 C404.2 R414.2 U101.5 U400.19 U400.32 U400.64 | length 130.3
  Top Layer w0.254: C111.2@20,-54.75 20,-56.5 20.429,-56.929 20.575,-56.929 20.647,-57 v2(21.75,-57) ; U400.32@25,-73.75 C404.2@25,-72 ; C402.2@25,-68.5 C402.2@25.25,-68.25 ; U400.19@31.5,-73.75 31.509,-73.741 31.509,-72.717 32.14,-72.085 32.665,-72.085 v1(32.75,-72) ; v1(32.5,-90) 34.119,-91.619 45.158,-91.619 47.539,-94 57.797,-94 64.701,-87.096 84.892,-87.096 84.965,-87.023 87.135,-87.023 87.208,-87.096 88.346,-87.096 89.25,-88 89.25,-92.704 88.5,-93.454 88.5,-93.5 87.851,-94.149 84.649,-94.149 83.75,-93.25 R414.2@83.75,-91.256 ; v1(32.5,-87.25) U400.64@32.5,-85.25
  Top Layer w0.4: C404.2@25,-72 C403.2@25,-70.5 C402.2@25,-68.5
  Top Layer w1: C402.2@25.25,-68.25 v4(25.25,-66)
  Bottom Layer w0.254: v4(25.25,-66) 26.75,-66 v1(32.75,-72) 32.75,-86.879 32.5,-87.129 v1(32.5,-90)
  Bottom Layer w1: v2@21,-57 v2(21.75,-57) 21.75,-58.75 25.25,-62.25 v4(25.25,-66)
  other v2: 21.5,-58.5 20.577,-57
5V: C108.2 C109.2 C110.2 C308.2 C318.2 C401.2 C409.2 C410.2 C415.2 C416.2 D100.1 D101.1 D102.1 D400.2 MODULE400.5 R401.3 U101.1 U101.3 U301.5 U303.5 | length 221.8
  Top Layer w0.254: C409.2@37.25,-95.75 C410.2@38.75,-95.75 D400.2@40.5,-95.75 40.5,-94.926 40.926,-94.5 43.75,-94.5 48.25,-99 57.262,-99 58.751,-97.511 58.751,-95.103 59.302,-94.552 61.423,-92.431 R401.3@63.686,-92.431 63.75,-92.366 63.75,-91.25 64.5,-90.5 C401.2@65.5,-90.5
  Top Layer w0.3: 55,-79 57.5,-79 59.75,-81.25 59.75,-85.25 60.75,-86.25 65.25,-86.25 65.68,-85.82 65.68,-79.07 v2(65.75,-79) ; v2(64.5,-60) 64.477,-59.977 63.273,-59.977 C308.2@63.25,-59.955 62.15,-59.955 61.8,-59.605 U301.5@61.6,-59.605 61.6,-56.6 60.25,-55.25 60.25,-53.749 62.499,-51.5 C318.2@66.5,-51.5 67.45,-51.5 67.6,-51.65 U303.5@67.6,-51.75
  Top Layer w0.4: 17.727,-48.24 17.727,-48.977 U101.1@17.75,-49
  Top Layer w0.5: 14.75,-49.887 U101.3@15.69,-48.947 ; U101.3@15.85,-49 15.85,-48.263 16.24,-47.873 17.36,-47.873 17.727,-48.24 ; U101.1@17.75,-49 18,-48.75 C110.2@19.5,-48.75 C109.2@19.5,-47.5 C108.2@19.5,-45.5 ; MODULE400.5@54.3,-84.75 C416.2@54.3,-81.05 ; C416.2@54.35,-81 54.35,-79.65 55,-79
  Top Layer w1: 14.75,-49.887 14.75,-53.25 17.65,-56.15 D101.1@17.65,-58.75 ; D102.1@17.4,-73.5 17.4,-64.63 19.75,-62.28 19.75,-59.651 19.164,-59.065 D101.1@17.775,-59.065 ; D100.1@17.4,-39.75 17.4,-39.975 19.75,-42.325 C108.2@19.75,-45.25 C108.2@19.5,-45.5
  Bottom Layer w0.3: v2(64.5,-60) 65.75,-61.25 v2(65.75,-79)
  Bottom Layer w1: v2(20.577,-37.907) 20.577,-45.827 54.3,-79.55 MODULE400.5@54.3,-84.75 54.3,-86.8 54.75,-87.25 58.505,-87.25 R401.3@63.686,-92.431
  other v2: 20.577,-41.018 20.5,-39.5
5V_FB: R100.1 R101.2 U100.8 | length 3.1
  Top Layer w0.254: R100.1@10.5,-29.25 10.64,-29.39 U100.8@10.64,-32.25